# Allegro board 1155001-Timing_board_V3_20241024_1805_pcb.brd (continued)
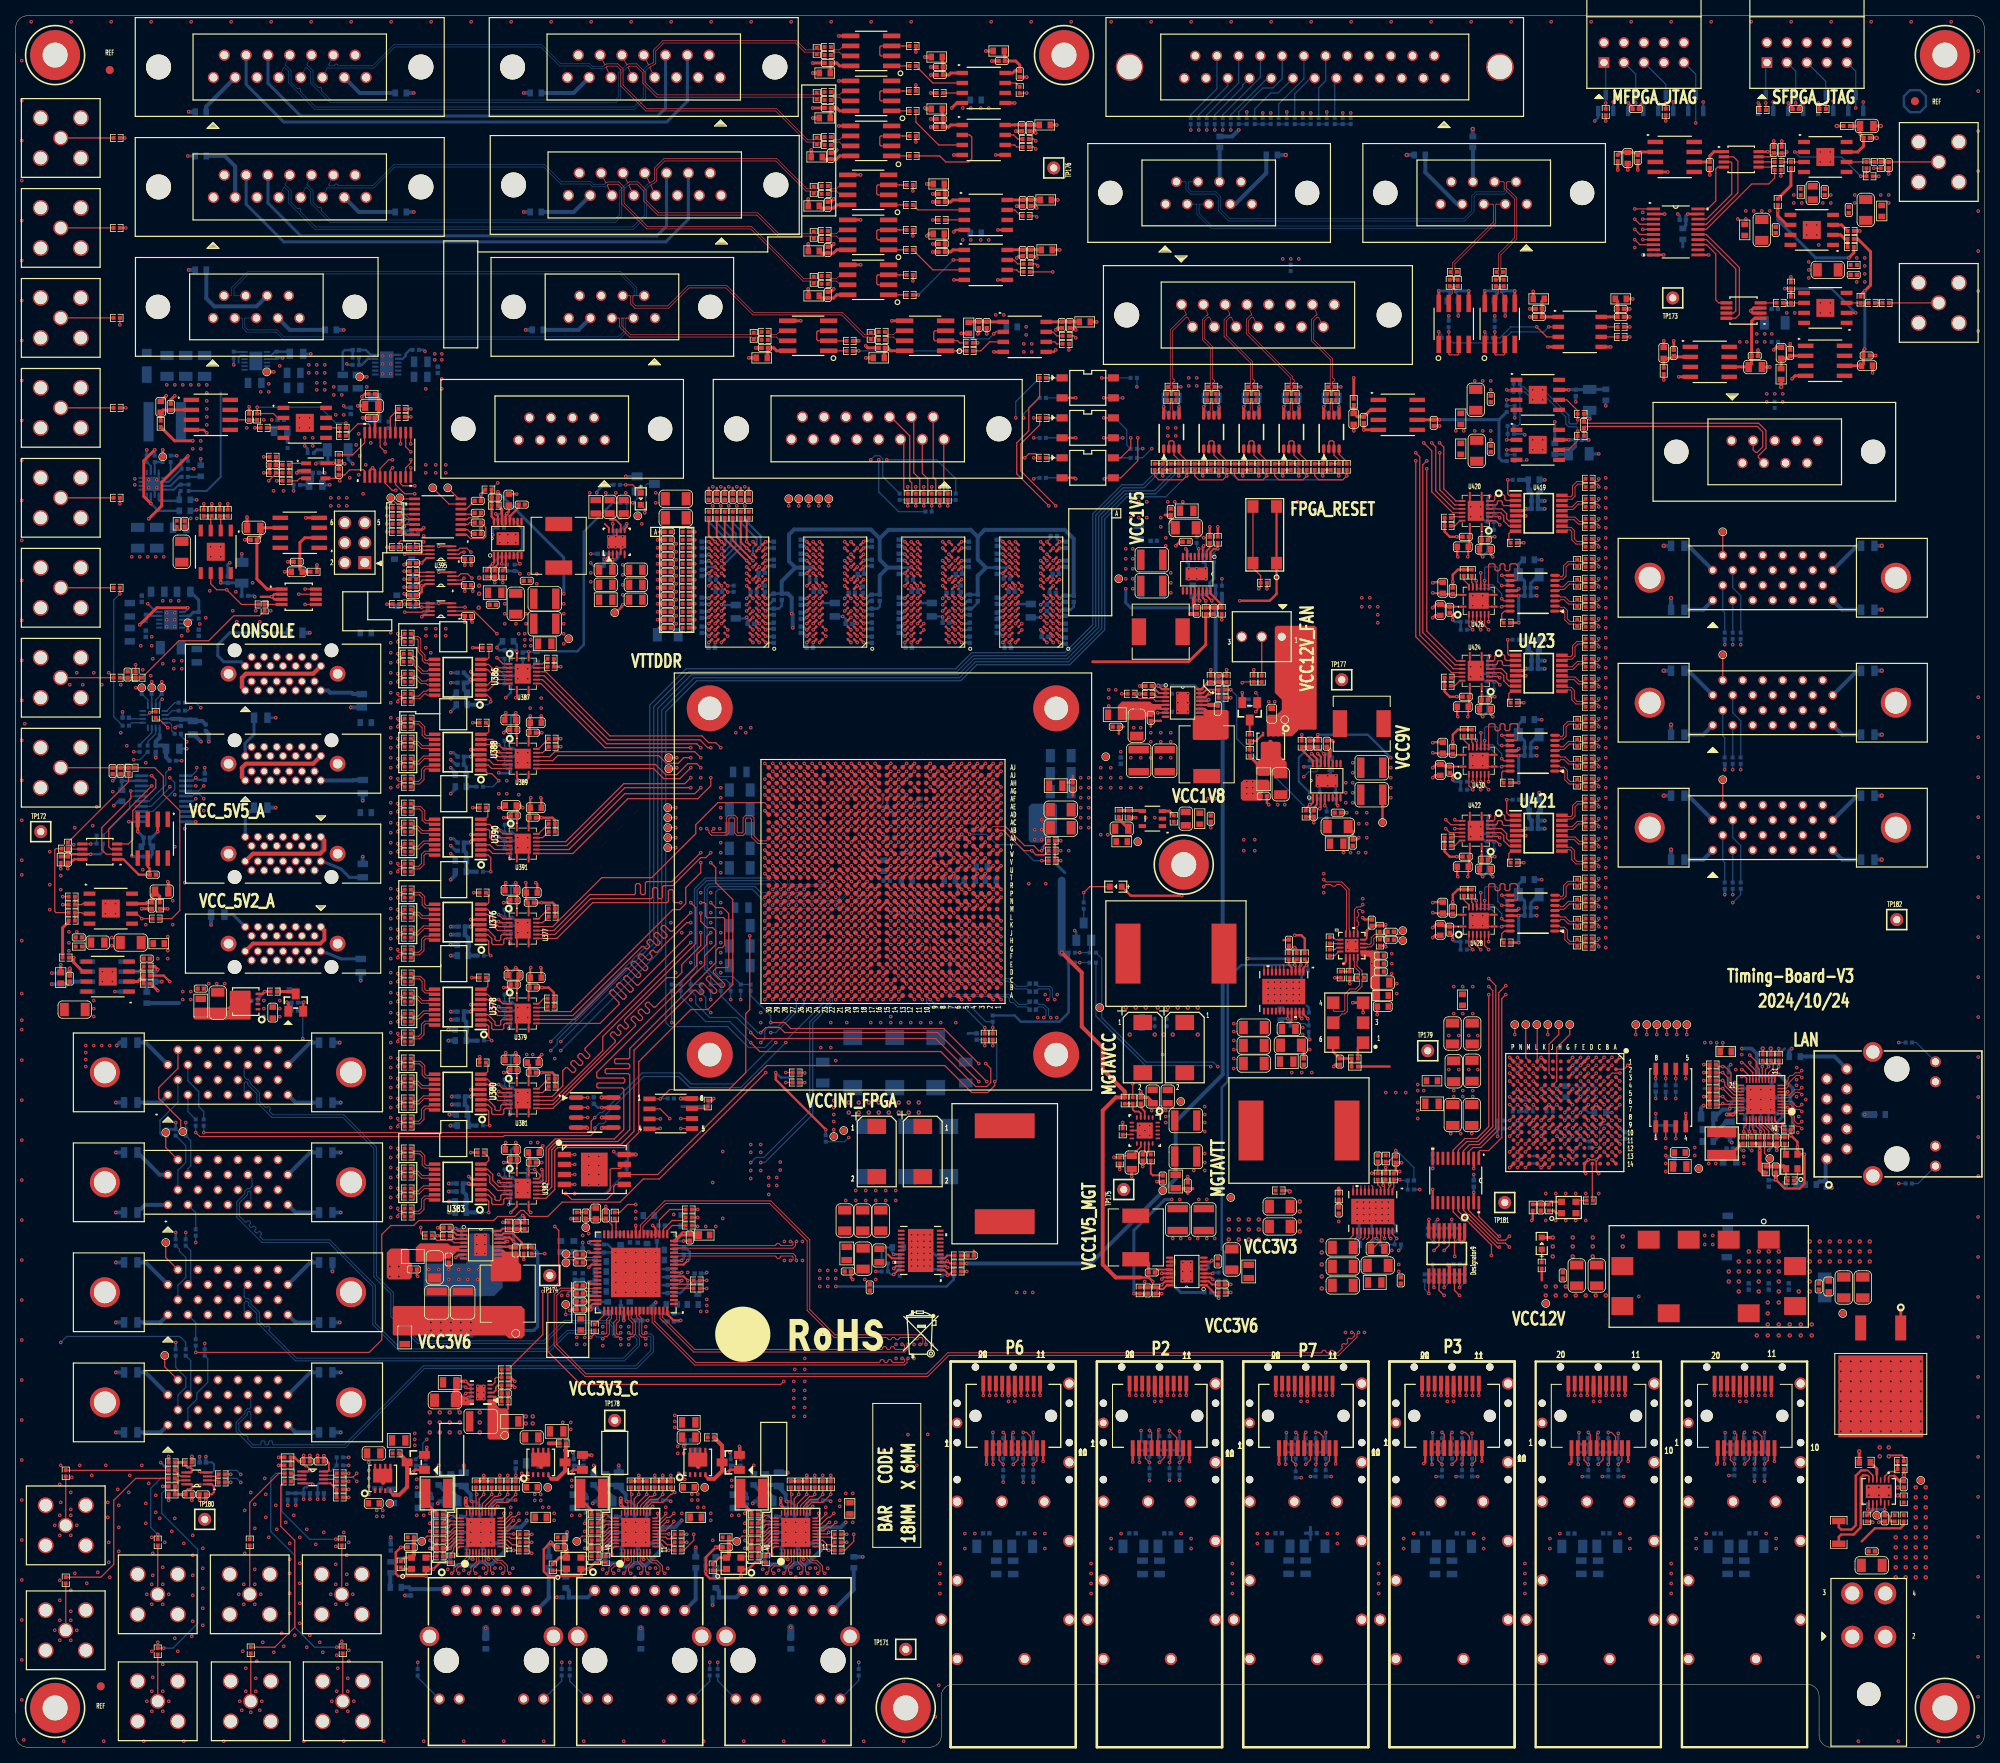
[diagram p0: board, top side]
## Copper pours and planes (outline as drawn; the poured copper is in the pictures) (continued)
Z_DRIVER_GND on ART03, ART05, ART08, ART10: 87.38,189.87 94.36,182.88 121.41,182.88 121.54,183.01 121.54,200.28 121.41,200.41 100.2,200.41 95,205.61 24.13,205.61 23.88,205.36 23.88,189.99 24,189.87
N16645854 on TOP: 211.07,65.41 211.33,65.66 218.69,65.66 218.95,65.41 218.95,63.5 218.82,63.37 211.2,63.37 211.07,63.5
N16645854 on BOTTOM: 218.82,63.5 214.38,63.5 214.25,63.63 214.25,66.04 214.38,66.17 218.82,66.17 218.95,66.04 218.95,63.63
N16650422 on TOP: 229.74,28.19 229.62,28.32 229.62,49.66 229.87,49.91 242.44,49.91 242.57,49.78 242.57,39.37 242.44,39.24 233.68,39.24 233.3,38.86 233.3,28.45 233.04,28.19
N16650476 on TOP: 238.4,29.24 238.35,29.29 238.35,29.59 237.74,30.2 237.74,31.37 237.79,31.42 238,31.42 238.07,31.34 240.33,31.34 240.46,31.22 240.46,29.46 240.23,29.24 ; 3 cut-outs
N16671344 on TOP: 104.52,66.04 104.79,66.31 112.38,66.31 112.88,65.81 112.88,65.49 111.93,65.49 111.88,65.44 111.88,65.31 111.93,65.26 112.87,65.26 112.87,64.99 111.97,64.99 111.92,64.94 111.92,64.82 111.97,64.77 112.88,64.77 112.88,64.48 111.93,64.48 111.88,64.43 111.88,64.31 111.93,64.26 112.88,64.26 112.88,63.99 111.93,63.99 111.88,63.93 111.88,63.81 111.93,63.76 112.88,63.76 112.88,63.48 111.94,63.48 111.89,63.43 111.89,63.3 111.94,63.25 112.88,63.25 112.88,63.24 112.9,63.22 112.9,63.04 112.86,62.99 111.25,62.99 111.25,62.74 110.87,62.36 110.24,62.36 109.94,62.65 107.16,62.65 107,62.81 104.78,62.81 104.52,63.06
N16672704 on TOP: 116.99,63.23 117.01,63.26 117.9,63.26 117.95,63.31 117.95,63.43 117.9,63.48 117.01,63.48 116.99,63.5 116.99,63.76 117.89,63.76 117.94,63.81 117.94,63.93 117.89,63.98 116.99,63.98 116.99,64.24 117.01,64.27 117.92,64.27 117.98,64.32 117.98,64.43 117.92,64.48 116.99,64.48 116.99,64.47 116.99,64.74 117.01,64.76 117.95,64.76 118,64.81 118,64.93 117.95,64.98 117.01,64.98 116.99,65.01 116.99,65.24 117.01,65.26 117.96,65.26 118.01,65.31 118.01,65.43 117.96,65.48 117,65.48 116.99,65.5 116.99,67.82 117.88,68.71 130.05,68.71 130.18,68.58 130.18,63.12 130.03,62.98 116.99,62.98
N16695226 on TOP: 166.22,113.74 165.96,114 165.96,118.82 166.57,119.43 166.57,121.03 166.65,121.11 166.84,121.11 166.88,121.07 166.88,120.1 166.95,120.02 167.02,120.02 167.1,120.1 167.1,121.04 167.16,121.11 167.34,121.11 167.41,121.03 167.41,119.76 167.77,119.41 167.77,114.17 167.34,113.74 ; 1 cut-out
N16695602 on TOP: 167.13,131.32 167.51,131.7 169.42,131.7 170.05,131.06 170.05,128.5 168.94,127.38 168.94,124.64 168.76,124.46 168.07,124.46 168.1,124.49 168.1,125.45 168.02,125.52 167.97,125.52 167.89,125.45 167.89,124.49 167.92,124.46 167.59,124.46 167.6,124.47 167.6,125.42 167.52,125.5 167.48,125.5 167.4,125.42 167.4,124.47 167.41,124.46 167.26,124.46 167.13,124.59
N16716267 on TOP: 149.15,150.8 149.07,150.88 149.07,152.15 148.72,152.5 148.72,157.73 149.15,158.17 150.27,158.17 150.52,157.91 150.52,153.09 149.91,152.48 149.91,150.88 149.83,150.8 149.65,150.8 149.61,150.84 149.61,151.81 149.53,151.89 149.46,151.89 149.39,151.81 149.39,150.86 149.32,150.8 ; 1 cut-out
N16716703 on TOP: 146.43,143.41 147.55,144.53 147.55,147.27 147.65,147.37 148.31,147.37 148.38,147.29 148.38,146.46 148.46,146.38 148.51,146.38 148.59,146.46 148.59,147.4 148.88,147.4 148.88,146.48 148.96,146.41 149.01,146.41 149.08,146.48 149.08,147.27 149.18,147.37 149.3,147.37 149.35,147.32 149.35,143.51 149.48,143.38 149.48,139.95 149.35,139.83 146.56,139.83 146.43,139.95
N16720636 on TOP: 75.31,150.37 75.44,150.5 76.07,150.5 76.33,150.24 76.33,145.16 76.2,145.03 75.44,145.03 75.31,145.16
N16720676 on TOP: 72.69,157.07 72.87,157.25 75.9,157.25 76,157.15 76,156.21 75.34,155.55 75.34,155.14 75.32,155.13 72.84,155.13 72.69,155.27
N16728285 on TOP: 157.85,93.46 158.34,93.95 158.66,93.95 158.66,93.01 158.71,92.96 158.84,92.96 158.89,93.01 158.89,93.95 159.17,93.95 159.17,93.05 159.22,92.99 159.33,92.99 159.39,93.05 159.39,93.96 159.68,93.96 159.68,93 159.73,92.95 159.84,92.95 159.9,93 159.9,93.96 160.17,93.96 160.17,93.01 160.22,92.96 160.35,92.96 160.4,93.01 160.4,93.95 160.67,93.95 160.67,93.02 160.72,92.97 160.85,92.97 160.9,93.02 160.9,93.96 160.92,93.96 160.94,93.98 161.12,93.98 161.16,93.94 161.16,92.47 161.5,92.12 161.5,88.48 160.91,87.88 160.91,85.98 160.66,85.72 158.12,85.72 157.85,85.99
N16728563 on TOP: 161.16,99.44 160.78,99.06 157.86,99.06 155.07,96.27 151.13,96.27 151,96.39 151,105.28 151.13,105.41 161.04,105.41 161.16,105.28
N16769397 on TOP: 152.78,60.07 152.27,60.58 150.5,60.58 150.37,60.71 150.37,61.21 150.5,61.34 151.64,61.34 151.89,61.59 153.03,61.59 153.42,61.98 157.35,61.98 157.48,61.85 157.48,60.96 157.35,60.83 156.08,60.83 155.32,60.07 ; 1 cut-out
N16769823 on TOP: 140.59,62.87 140.72,62.99 146.69,62.99 147.07,62.61 147.07,61.21 146.94,61.09 140.59,61.09
N16771812 on TOP: 144.27,76.96 144.4,77.09 144.53,77.09 144.65,77.22 144.65,77.85 144.78,77.98 145.67,77.98 147.07,76.58 147.57,76.58 148.08,76.07 148.08,72.77 147.7,72.39 145.41,72.39 145.29,72.52 145.29,73.03 144.91,73.41 144.91,75.44 144.27,76.07
N16895484 on TOP (solid shape): 160.66,127.43 160.66,125.91 161.42,125.15 161.42,123.75 161.16,123.49 157.73,123.49 157.48,123.75 157.48,125.02 158.12,125.65 158.12,127.56 158.32,127.76 160.32,127.76
N20520588 on BOTTOM: 45.97,174.75 45.09,174.75 44.96,174.62 44.96,173.99 44.83,173.86 40.77,173.86 40.64,173.99 40.64,175.01 40.77,175.13 44.07,175.13 44.45,175.51 45.97,175.51 46.1,175.39 46.1,174.88
N20520700 on BOTTOM: 50.93,173.35 49.4,173.35 49.28,173.48 49.28,174.62 49.15,174.75 48.26,174.75 48.13,174.88 48.13,175.51 48.26,175.64 49.53,175.64 49.78,175.9 49.78,176.4 50.16,176.78 50.93,176.78 51.05,176.66 51.05,173.48
N22202204 on TOP (solid shape): 144.25,132.66 144.33,132.58 144.37,132.58 144.44,132.56 144.52,132.55 146.02,132.55 146.09,132.56 146.16,132.58 146.37,132.58 146.42,132.58 146.51,132.49 146.51,132.38 146.43,132.31 145.52,132.31 145.52,132.05 146.46,132.05 146.48,132.03 146.48,131.84 146.44,131.8 145.23,131.8 145.13,131.83 145.03,131.84 144.75,131.72 144.63,131.44 144.63,131.36 144.65,131.29 144.3,130.94 143.64,130.94 143.26,130.56 139.95,130.56 139.95,132.33 140.49,132.87 144.04,132.87
N22202413 on TOP (solid shape): 151.36,131.8 153.84,131.8 154.05,131.59 154.05,128.27 153.8,128.02 149.61,128.02 149.48,128.14 149.48,130.67 149.87,131.06 150.84,131.06 150.84,131.31 149.87,131.31 149.87,131.57 150.81,131.57 150.81,131.82 149.87,131.82 149.87,132 149.95,132.07 151.08,132.07
N22225077 on TOP (solid shape): 55.09,63.83 55.18,63.75 55.21,63.75 55.29,63.73 55.36,63.72 56.87,63.72 56.93,63.72 57.01,63.74 57.21,63.74 57.26,63.75 57.36,63.65 57.36,63.47 56.36,63.47 56.36,63.25 57.36,63.25 57.36,63.04 57.29,62.97 56.01,62.97 55.15,62.1 54.48,62.1 54.1,61.72 50.8,61.72 50.8,63.5 51.33,64.03 54.89,64.03
N22225252 on TOP (solid shape): 62.2,62.97 63.73,62.97 63.88,62.81 63.88,61.59 64.14,61.34 64.14,59.44 63.88,59.18 60.45,59.18 60.33,59.31 60.33,61.83 60.72,62.22 61.68,62.22 61.68,62.48 60.72,62.48 60.72,62.73 61.66,62.73 61.66,62.99 60.72,62.99 60.72,63.16 60.79,63.24 61.93,63.24
N22225276 on TOP (solid shape): 64.64,55.63 64.64,52.32 64.26,51.94 62.61,51.94 62.23,52.32 48.01,52.32 47.88,52.45 47.88,55.88 48.07,56.07 64.2,56.07
N22225276 on BOTTOM (solid shape): 58.29,55.75 58.29,52.32 58.04,52.07 52.2,52.07 51.82,52.45 51.82,55.5 52.2,55.88 58.17,55.88
N22239588 on TOP: 38.73,169.67 41.78,169.67 41.91,169.54 41.91,168.78 41.4,168.28 38.73,168.28 38.61,168.4 38.61,169.54
N22239588 on BOTTOM: 40.51,169.67 47.75,169.67 48.01,169.42 48.01,168.28 47.88,168.15 42.93,168.15 42.42,168.66 40.89,168.66 40.39,169.16 40.39,169.54
N22239690 on TOP: 34.92,167.13 33.15,167.13 33.02,167 33.02,166.12 33.15,165.99 35.43,165.99 36.45,167 37.97,167 38.23,167.26 38.23,169.42 38.1,169.54 35.31,169.54 35.18,169.42 35.18,167.39
N22239690 on BOTTOM: 33.91,169.29 37.47,169.29 37.59,169.16 37.59,167.51 37.47,167.39 36.58,167.39 34.8,165.61 33.91,165.61 33.78,165.74 33.78,169.16
N22626888 on TOP: 61.09,145.92 60.96,146.05 60.96,147.45 61.09,147.57 62,147.57 62.59,148.16 62.59,151.79 62.66,151.87 62.83,151.87 62.89,151.81 62.89,150.96 62.92,150.93 63.05,150.93 63.08,150.96 63.08,151.82 63.13,151.87 63.27,151.87 63.37,151.76 63.37,150.62 64.77,149.22 64.77,146.05 64.64,145.92
N22627063 on TOP: 64.12,155.23 64.08,155.28 64.08,156.14 64.04,156.19 63.93,156.19 63.89,156.15 63.89,155.25 63.87,155.23 63.65,155.23 63.58,155.31 63.58,156.15 63.54,156.19 63.41,156.19 63.38,156.16 63.38,155.29 63.34,155.25 63.13,155.25 63.09,155.28 63.09,156.16 64.01,157.07 64.01,157.1 64.39,157.48 64.39,158.37 64.52,158.5 70.74,158.5 70.87,158.37 70.87,154.56 70.74,154.43 66.84,154.43 66.04,155.23
N22627093 on TOP: 67.06,148.34 67.56,147.83 67.56,139.57 67.69,139.45 71.25,139.45 71.37,139.57 71.37,150.75 71.25,150.88 67.18,150.88 67.06,150.75
N22627093 on BOTTOM: 67.56,139.95 67.69,139.83 69.85,139.83 69.98,139.95 69.98,147.96 69.85,148.08 67.69,148.08 67.56,147.96
N22804544 on TOP: 168.91,64.52 169.29,64.9 172.34,64.9 172.72,64.52 172.72,58.55 171.96,57.78 169.04,57.78 168.91,57.91
N22804870 on TOP: 164.97,81.66 165.99,82.68 172.72,82.68 174.62,80.77 174.62,75.06 174.37,74.8 172.59,74.8 172.47,74.68 172.47,71.37 172.34,71.25 169.67,71.25 169.29,70.87 166.5,70.87 164.97,72.39
N22807016 on TOP (solid shape): 61.09,44.55 61.09,43.43 61.46,43.07 62.24,43.07 62.61,42.7 62.61,39.34 62.36,39.09 60.12,39.09 59.92,39.29 59.92,44.2 60.6,44.2 60.6,44.45 59.92,44.45 59.92,44.58 60.02,44.68 60.96,44.68
N22807040 on TOP (solid shape): 56.36,46.94 56.36,44.96 56.77,44.55 57.33,44.55 57.45,44.68 58.12,44.68 58.19,44.6 58.19,44.45 57.48,44.45 57.48,44.17 58.19,44.17 58.19,43.84 57.78,43.43 56.44,43.43 56.21,43.21 55.45,43.21 55.27,43.38 55.27,44.93 55.58,45.24 55.58,46.89 55.7,47.02 56.29,47.02
N23150731 on TOP: 84.33,29.97 84.45,30.1 85.85,30.1 85.98,29.97 85.98,28.57 85.72,28.32 84.58,28.32 84.33,28.57
N23150731 on BOTTOM: 84.33,29.97 84.45,30.1 85.72,30.1 85.98,29.84 85.98,28.57 85.72,28.32 84.45,28.32 84.33,28.45
N23150814 on BOTTOM: 75.56,32 75.69,32.13 76.96,32.13 77.09,32 77.09,30.48 76.83,30.23 75.69,30.23 75.56,30.35
N23151230 on TOP: 73.66,33.91 73.91,34.16 75.18,34.16 75.44,33.91 75.44,31.5 77.04,29.9 77.04,29.46 76.96,29.39 75.69,29.39 75.11,29.97 74.3,29.97 74.17,29.84 74.17,29.34 74.04,29.21 73.79,29.21 73.66,29.34
N23151285 on TOP: 70.1,33.78 70.48,34.16 72.26,34.16 72.39,34.04 72.39,30.35 70.23,30.35 70.1,30.48
N23151285 on BOTTOM: 69.98,34.04 70.23,34.29 72.52,34.29 72.64,34.16 72.64,32.26 72.52,32.13 72.14,32.13 71.63,31.62 70.1,31.62 69.98,31.75
N23151285 on ART05: 82.8,35.69 83.82,34.67 83.82,30.23 83.57,29.97 74.55,29.97 74.3,29.72 74.3,26.16 74.17,26.04 70.1,26.04 69.85,26.29 69.85,35.56 69.98,35.69
N23152290 on TOP: 105.03,29.84 105.16,29.97 106.55,29.97 106.81,29.72 106.81,28.57 106.55,28.32 105.16,28.32 105.03,28.45
N23152290 on BOTTOM: 105.03,29.72 105.28,29.97 106.55,29.97 106.81,29.72 106.81,28.45 106.68,28.32 105.16,28.32 105.03,28.45
N23152300 on BOTTOM: 95.89,32 96.01,32.13 97.28,32.13 97.41,32 97.41,30.48 97.16,30.23 96.01,30.23 95.89,30.35
N23152381 on TOP: 93.98,33.91 94.23,34.16 95.5,34.16 95.76,33.91 95.76,31.5 97.36,29.9 97.36,29.46 97.28,29.39 96.01,29.39 95.43,29.97 94.61,29.97 94.49,29.84 94.49,29.34 94.36,29.21 94.11,29.21 93.98,29.34
N23152387 on TOP: 90.42,33.78 90.81,34.16 92.58,34.16 92.71,34.04 92.71,30.35 90.55,30.35 90.42,30.48
N23152387 on BOTTOM: 90.3,34.04 90.55,34.29 92.84,34.29 92.96,34.16 92.96,32.26 92.84,32.13 92.46,32.13 91.95,31.62 90.42,31.62 90.3,31.75
N23152387 on ART05: 90.17,33.91 90.81,34.54 105.28,34.54 105.92,33.91 105.92,30.99 104.52,29.59 94.49,29.59 93.47,28.57 93.47,26.42 92.96,25.91 90.68,25.91 90.17,26.42
N23159961 on TOP: 65.53,40.39 65.91,40.77 68.2,40.77 68.2,35.69 68.07,35.56 65.66,35.56 65.53,35.69
N23163138 on TOP: 85.47,42.16 85.6,42.29 88.01,42.29 88.14,42.16 88.14,35.69 88.01,35.56 85.6,35.56 85.47,35.69
N23303858 on TOP: 145.16,117.09 145.29,117.22 146.18,117.22 146.81,117.86 147.57,117.86 147.83,117.6 150.75,117.6 151,117.35 151,115.57 150.88,115.44 145.29,115.44 145.16,115.57
N23303910 on TOP: 140.84,117.35 143.38,117.35 143.64,117.09 143.64,114.68 143.38,114.43 141.1,114.43 140.84,114.68
N23559075 on TOP: 214.76,74.04 214.76,75.82 214.88,75.95 218.57,75.95 218.57,74.04 218.44,73.91 214.88,73.91
N23559075 on BOTTOM: 217.42,76.33 217.42,73.91 217.3,73.79 215.01,73.79 214.88,73.91 214.88,76.07 215.01,76.2 216.15,76.2 216.41,76.45 217.3,76.45
N23559075 on ART05: 224.92,72.01 224.92,86.87 224.79,87 214.88,87 214.76,86.87 214.76,72.01 214.88,71.88 224.79,71.88
N23559090 on TOP: 217.68,87.63 217.42,87.88 217.42,89.03 217.68,89.28 219.46,89.28 219.58,89.15 219.58,87.88 219.33,87.63
N23559090 on BOTTOM: 217.68,87.63 217.55,87.76 217.55,89.03 217.68,89.15 219.33,89.15 219.58,88.9 219.58,87.88 219.33,87.63
N23559134 on TOP: 215.01,77.22 214.76,77.47 214.76,78.74 215.01,78.99 217.42,78.99 219.02,80.59 219.46,80.59 219.53,80.52 219.53,79.25 218.95,78.66 218.95,77.85 219.07,77.72 219.58,77.72 219.71,77.6 219.71,77.34 219.58,77.22
N23559181 on BOTTOM: 216.92,79.12 216.79,79.25 216.79,80.52 216.92,80.64 218.44,80.64 218.69,80.39 218.69,79.25 218.57,79.12
N23568615 on TOP: 45.47,40.13 45.59,40.26 48.01,40.26 48.13,40.13 48.13,33.66 48.01,33.53 45.59,33.53 45.47,33.66
N23571054 on TOP: 64.64,29.97 64.77,30.1 66.17,30.1 66.29,29.97 66.29,28.57 66.04,28.32 64.9,28.32 64.64,28.57
N23571054 on BOTTOM: 64.64,29.97 64.77,30.1 66.04,30.1 66.29,29.84 66.29,28.57 66.04,28.32 64.77,28.32 64.64,28.45
N23571137 on BOTTOM: 55.88,32 56.01,32.13 57.28,32.13 57.4,32 57.4,30.48 57.15,30.23 56.01,30.23 55.88,30.35
N23571536 on TOP: 53.98,33.91 54.23,34.16 55.5,34.16 55.75,33.91 55.75,31.5 57.35,29.9 57.35,29.46 57.28,29.39 56.01,29.39 55.42,29.97 54.61,29.97 54.48,29.84 54.48,29.34 54.36,29.21 54.1,29.21 53.98,29.34
N23571591 on TOP: 50.42,33.78 50.8,34.16 52.58,34.16 52.7,34.04 52.7,30.35 50.55,30.35 50.42,30.48
N23571591 on BOTTOM: 50.29,34.04 50.55,34.29 52.83,34.29 52.96,34.16 52.96,32.26 52.83,32.13 52.45,32.13 51.94,31.62 50.42,31.62 50.29,31.75
N23571591 on ART03: 57.53,34.29 58.55,33.27 63.75,33.27 64.64,32.38 64.64,30.23 64.52,30.1 50.8,30.1 50.67,30.23 50.67,34.16 50.8,34.29
N23571591 on ART05: 51.82,28.45 52.32,27.94 53.34,27.94 53.47,27.81 53.47,25.91 53.34,25.78 48.13,25.78 48.01,25.91 48.01,35.31 48.13,35.43 51.69,35.43 51.82,35.31
N24069995 on BOTTOM: 31.62,176.15 31.5,176.02 31.5,174.88 32.7,173.67 32.7,171.89 32.89,171.7 34.54,171.7 34.8,171.96 34.8,175.77 34.42,176.15
N24830320 on BOTTOM: 47.24,145.29 47.5,145.54 51.05,145.54 51.18,145.41 51.18,144.53 51.82,143.89 51.82,143.51 51.69,143.38 47.62,143.38 47.24,143.76
N24830787 on BOTTOM: 49.91,148.08 51.94,148.08 52.07,147.96 52.07,147.19 51.94,147.07 49.91,147.07 49.78,147.19 49.78,147.96
N24992417 on TOP: 24,155.19 24,153.8 24.26,153.54 26.54,153.54 26.8,153.29 26.8,150.88 26.67,150.75 23.75,150.75 22.1,152.4 20.19,152.4 20.07,152.53 20.07,155.19 20.19,155.32 23.88,155.32
N25007589 on TOP: 10.16,103.12 10.03,103.25 9.4,103.25 9.27,103.38 9.27,103.63 9.4,103.76 13.34,103.76 13.46,103.89 13.46,107.57 13.21,107.82 10.92,107.82 10.67,107.57 10.67,105.54 10.54,105.41 8.38,105.41 8.13,105.16 8.13,102.74 8.26,102.62 8.76,102.62 8.89,102.49 8.89,102.23 8.76,102.11 8.26,102.11 8.13,101.98 8.13,100.97 8.26,100.84 10.03,100.84 10.16,100.97
N25011323 on BOTTOM: 20.45,154.18 20.45,156.21 20.32,156.34 17.4,156.34 16.76,156.97 16.76,159.26 16.64,159.38 16.31,159.38 16.26,159.44 16.26,159.77 16.13,159.89 14.61,159.89 14.48,159.77 14.48,154.56 14.61,154.43 18.8,154.43 19.18,154.05 20.32,154.05
N25013416 on BOTTOM: 16.76,161.8 16.76,162.56 16.64,162.69 16.13,162.69 16,162.81 16,165.35 16.13,165.48 17.53,165.48 17.65,165.61 17.65,175.39 17.53,175.51 14.22,175.51 14.1,175.39 14.1,161.8 14.22,161.67 16.64,161.67
N25031952 on TOP: 17.78,101.22 17.65,101.09 16.89,101.09 16.51,100.71 16.51,99.82 16.38,99.69 15.75,99.69 15.11,99.06 13.46,99.06 13.34,98.93 13.34,96.77 13.21,96.65 10.54,96.65 10.41,96.77 10.41,100.08 10.54,100.2 15.11,100.2 15.24,100.33 15.24,103.12 15.37,103.25 17.65,103.25 17.78,103.12
N25031972 on TOP: 9.78,97.54 5.08,97.54 4.95,97.41 4.95,92.84 5.08,92.71 6.73,92.71 6.86,92.84 6.86,95.89 7.62,96.65 9.65,96.65 9.78,96.77 ; 2 cut-outs
N25067068 on BOTTOM: 18.41,143.38 16,143.38 15.24,144.15 13.84,144.15 13.72,144.02 13.72,141.73 13.84,141.6 18.16,141.6 18.54,141.99 18.54,143.26
N25068174 on BOTTOM: 20.95,142.88 21.59,142.88 22.1,142.37 22.1,141.73 22.35,141.48 23.62,141.48 23.75,141.35 23.75,138.94 23.62,138.81 20.45,138.81 20.32,138.94 20.32,140.72 20.83,141.22 20.83,142.75
N25611612 on BOTTOM: 47.5,151.51 47.62,151.64 51.82,151.64 51.94,151.51 51.94,150.24 51.82,150.11 47.62,150.11 47.5,150.24
N25755131 on TOP: 228.22,203.71 231.01,203.71 231.14,203.58 231.14,197.99 231.01,197.87 226.31,197.87 226.19,197.99 226.19,200.66 226.31,200.79 227.97,200.79 228.09,200.91 228.09,203.58
N25838809 on TOP (solid shape): 29.84,96.01 29.84,92.58 29.72,92.46 22.73,92.46 22.61,92.58 22.61,93.85 22.73,93.98 26.92,93.98 27.18,94.23 27.18,96.01 27.3,96.14 29.72,96.14
N25844783 on TOP: 233.68,193.29 233.04,193.93 229.87,193.93 229.74,193.8 229.74,191.64 229.62,191.52 226.95,191.52 226.82,191.64 226.82,194.94 226.95,195.07 237.62,195.07 237.74,194.94 237.74,193.42 237.62,193.29
N25844958 on TOP: 226.19,191.39 226.31,191.52 226.31,192.53 226.19,192.66 219.2,192.66 219.07,192.53 219.07,190.88 219.2,190.75 223.77,190.75 224.41,191.39
N25850494 on TOP: 230.89,188.72 233.17,188.72 233.3,188.59 233.3,184.28 233.17,184.15 231.65,184.15 231.52,184.02 231.52,181.74 231.39,181.61 228.47,181.61 228.35,181.74 228.35,184.28 230.76,186.69 230.76,188.59
N25850496 on TOP: 227.84,182.88 224.79,182.88 224.66,182.75 224.66,181.61 224.79,181.48 227.84,181.48 227.97,181.61 227.97,182.75
N25850496 on BOTTOM: 226.44,183.13 226.31,183.26 223.65,183.26 223.52,183.13 223.52,177.93 223.65,177.8 226.31,177.8 226.44,177.93
N25863636 on BOTTOM: 168.4,187.71 168.28,187.83 158.5,187.83 158.37,187.71 158.37,179.32 158.5,179.2 168.28,179.2 168.4,179.32
N25914259 on TOP: 183.01,164.72 187.83,164.72 188.34,164.21 191.64,164.21 191.9,164.47 191.9,166.62 192.02,166.75 194.44,166.75 194.56,166.62 194.56,162.05 194.44,161.93 183.01,161.93 182.88,162.05 182.88,164.59
N25916308 on TOP: 183.01,171.07 187.83,171.07 188.34,170.56 191.64,170.56 191.9,170.81 191.9,172.97 192.02,173.1 194.44,173.1 194.56,172.97 194.56,168.53 194.44,168.4 185.04,168.4 184.4,169.04 183.01,169.04 182.88,169.16 182.88,170.94
N25918428 on BOTTOM: 225.68,170.43 217.17,170.43 216.92,170.18 216.92,161.8 217.04,161.67 225.68,161.67 225.81,161.8 225.81,170.31

Small or netless copper shapes (teardrops, artwork), in the pictures only: 12 on TOP

## Text on the board
Ref Des/Silkscreen Bottom: VCC10_A
Ref Des/Assembly Top: P6 | P2 | P7 | P3 | .Designator | MAX22026FAWA_3_TPS7A9201DSKR_TP | U127 | P5 | P4
Ref Des/Silkscreen Top: A | * | 1 | 20 | 11 | 10 | VCC_5V5_A | VCC_5V2_A | CONSOLE | VCC3V6 | VCC3V3_C | VTTDDR | VCCINT_FPGA | VCC1V8 | VCC3V3 | FPGA_RESET | VCC12V | MFPGA_JTAG | Timing-Board-V3 | 2024/10/24 | SFPGA_JTAG | LAN | P6 | P2 | P7 | P3 | BAR   CODE | 18MM  X 6MM | VCC1V5_MGT | MGTAVCC | VCC1V5 | MGTAVTT | VCC12V_FAN | VCC9V
DIMENSION: ART08 | PREPREG | GND02 | GND09 | GND11 | CORE | POWER07 | ART01 | GND04 | ART05 | POWER06 | ART10 | ART12 | ART03 | Layer Stack up | Solder Bot | Silk Bot | Solder Top | Silk Top | Thickness (mil) | 1.81(1oz+plating) | 1.38(1 oz) | 7.91 | 4.25 | 5.12 | 13.78 | 1.18(1 oz) | Default | 10--Gerber LAYER10 | 11--GROUND PLANE11 | 12--Gerber BOTTOM | 1--Gerber TOP | 2--GROUND PLANE02 | 3--Gerber LAYER03 | 4--GROUND PLANE04 | 5--Gerber LAYER05 | 6--POWER PLANE06 | 7--GROUND PLANE07 | 8--Gerber LAYER08 | 9--GROUND PLANE09
User.20: NOTES: | - DRILL SIZES LISTED IN LEGEND | ARE CONSIDERED FINISHED. | - VENDOR IS REQUIRED TO SELECT | TOOLING FOR OVERDRILLING. | - LEGEND DOES NOT SPECIFY DEPTH | INTO ADJACENT DIELECTRIC LAYER. | FIGURE | SIZE | 8.0 | BACKDRILL: BOTTOM to GND11 | ALL UNITS ARE IN MILS | TOLERANCE | +3.0/-3.0 | PLATED | QTY | 24
User.21: NOTES: | - DRILL SIZES LISTED IN LEGEND | ARE CONSIDERED FINISHED. | - VENDOR IS REQUIRED TO SELECT | TOOLING FOR OVERDRILLING. | - LEGEND DOES NOT SPECIFY DEPTH | INTO ADJACENT DIELECTRIC LAYER. | FIGURE | SIZE | 8.0 | BACKDRILL: BOTTOM to GND09 | ALL UNITS ARE IN MILS | TOLERANCE | +3.0/-3.0 | PLATED | QTY | 24
User.24: FIGURE | SIZE | 8.0 | 10.0 | 28.0 | 33.0 | 35.43 | 36.0 | 37.0 | 40.0 | 41.0 | 45.0 | 48.0 | 59.0 | 63.0 | 66.93 | 71.0 | 110.0 | 118.0 | 122.0 | 125.0 | 61.0 | 69.0 | 125.98 | DRILL CHART: TOP to BOTTOM | ALL UNITS ARE IN MILS | TOLERANCE | +3.0/-3.0 | +2.0/-2.0 | PLATED | NON-PLATED | QTY | 4737 | 310 | 286 | 6 | 56 | 91 | 20 | 93 | 66 | 8 | 18 | 72 | 4 | 14 | 5 | 2 | 7 | 54 | 12
User.25: The target layer = gnd9 . The depth of backdrill | less than 10mil away from the target layer | Do not cut layer=gnd9 .
User.26: The target layer = gnd4 . The depth of backdrill | less than 10mil away from the target layer | Do not cut layer=gnd4 .
User.27: The target layer = gnd9 . The depth of backdrill | less than 10mil away from the target layer | Do not cut layer=gnd9 .
User.36: MFR:MOLEX | SYM NAME:CON_MOL_20_7441_0010 | COMP HT:427 MIL | PADSTACKS:C53H33, C61H41,C37HN37,R20_79 | DIM IN INCH [MM] | CREATED BY MVU 11-11-10 | CHECKED BY: MN 11/15/10 | 0 | 2.33 | .092 | 5.68 | .224 | 7.13 | .281 | 8.58 | .338 | 11.08 | .436 | 11.93 | .470 | 14.25 | .561 | 49.00 | 1.929 | 5.00 | 10.00 | 37.10 | 32.50 | 30.00 | 27.50 | 22.80 | 20.00 | .197 | .394 | .898 | .787 | 1.461 | 1.280 | 1.181 | 1.083 | 25.00 | 35.00 | 30.90 | 15.00 | 15.90 | .984 | .591 | 1.378 | 1.217 | .626
